# Altium PCB PCB1.PcbDoc (part 7 of 15) (continued)
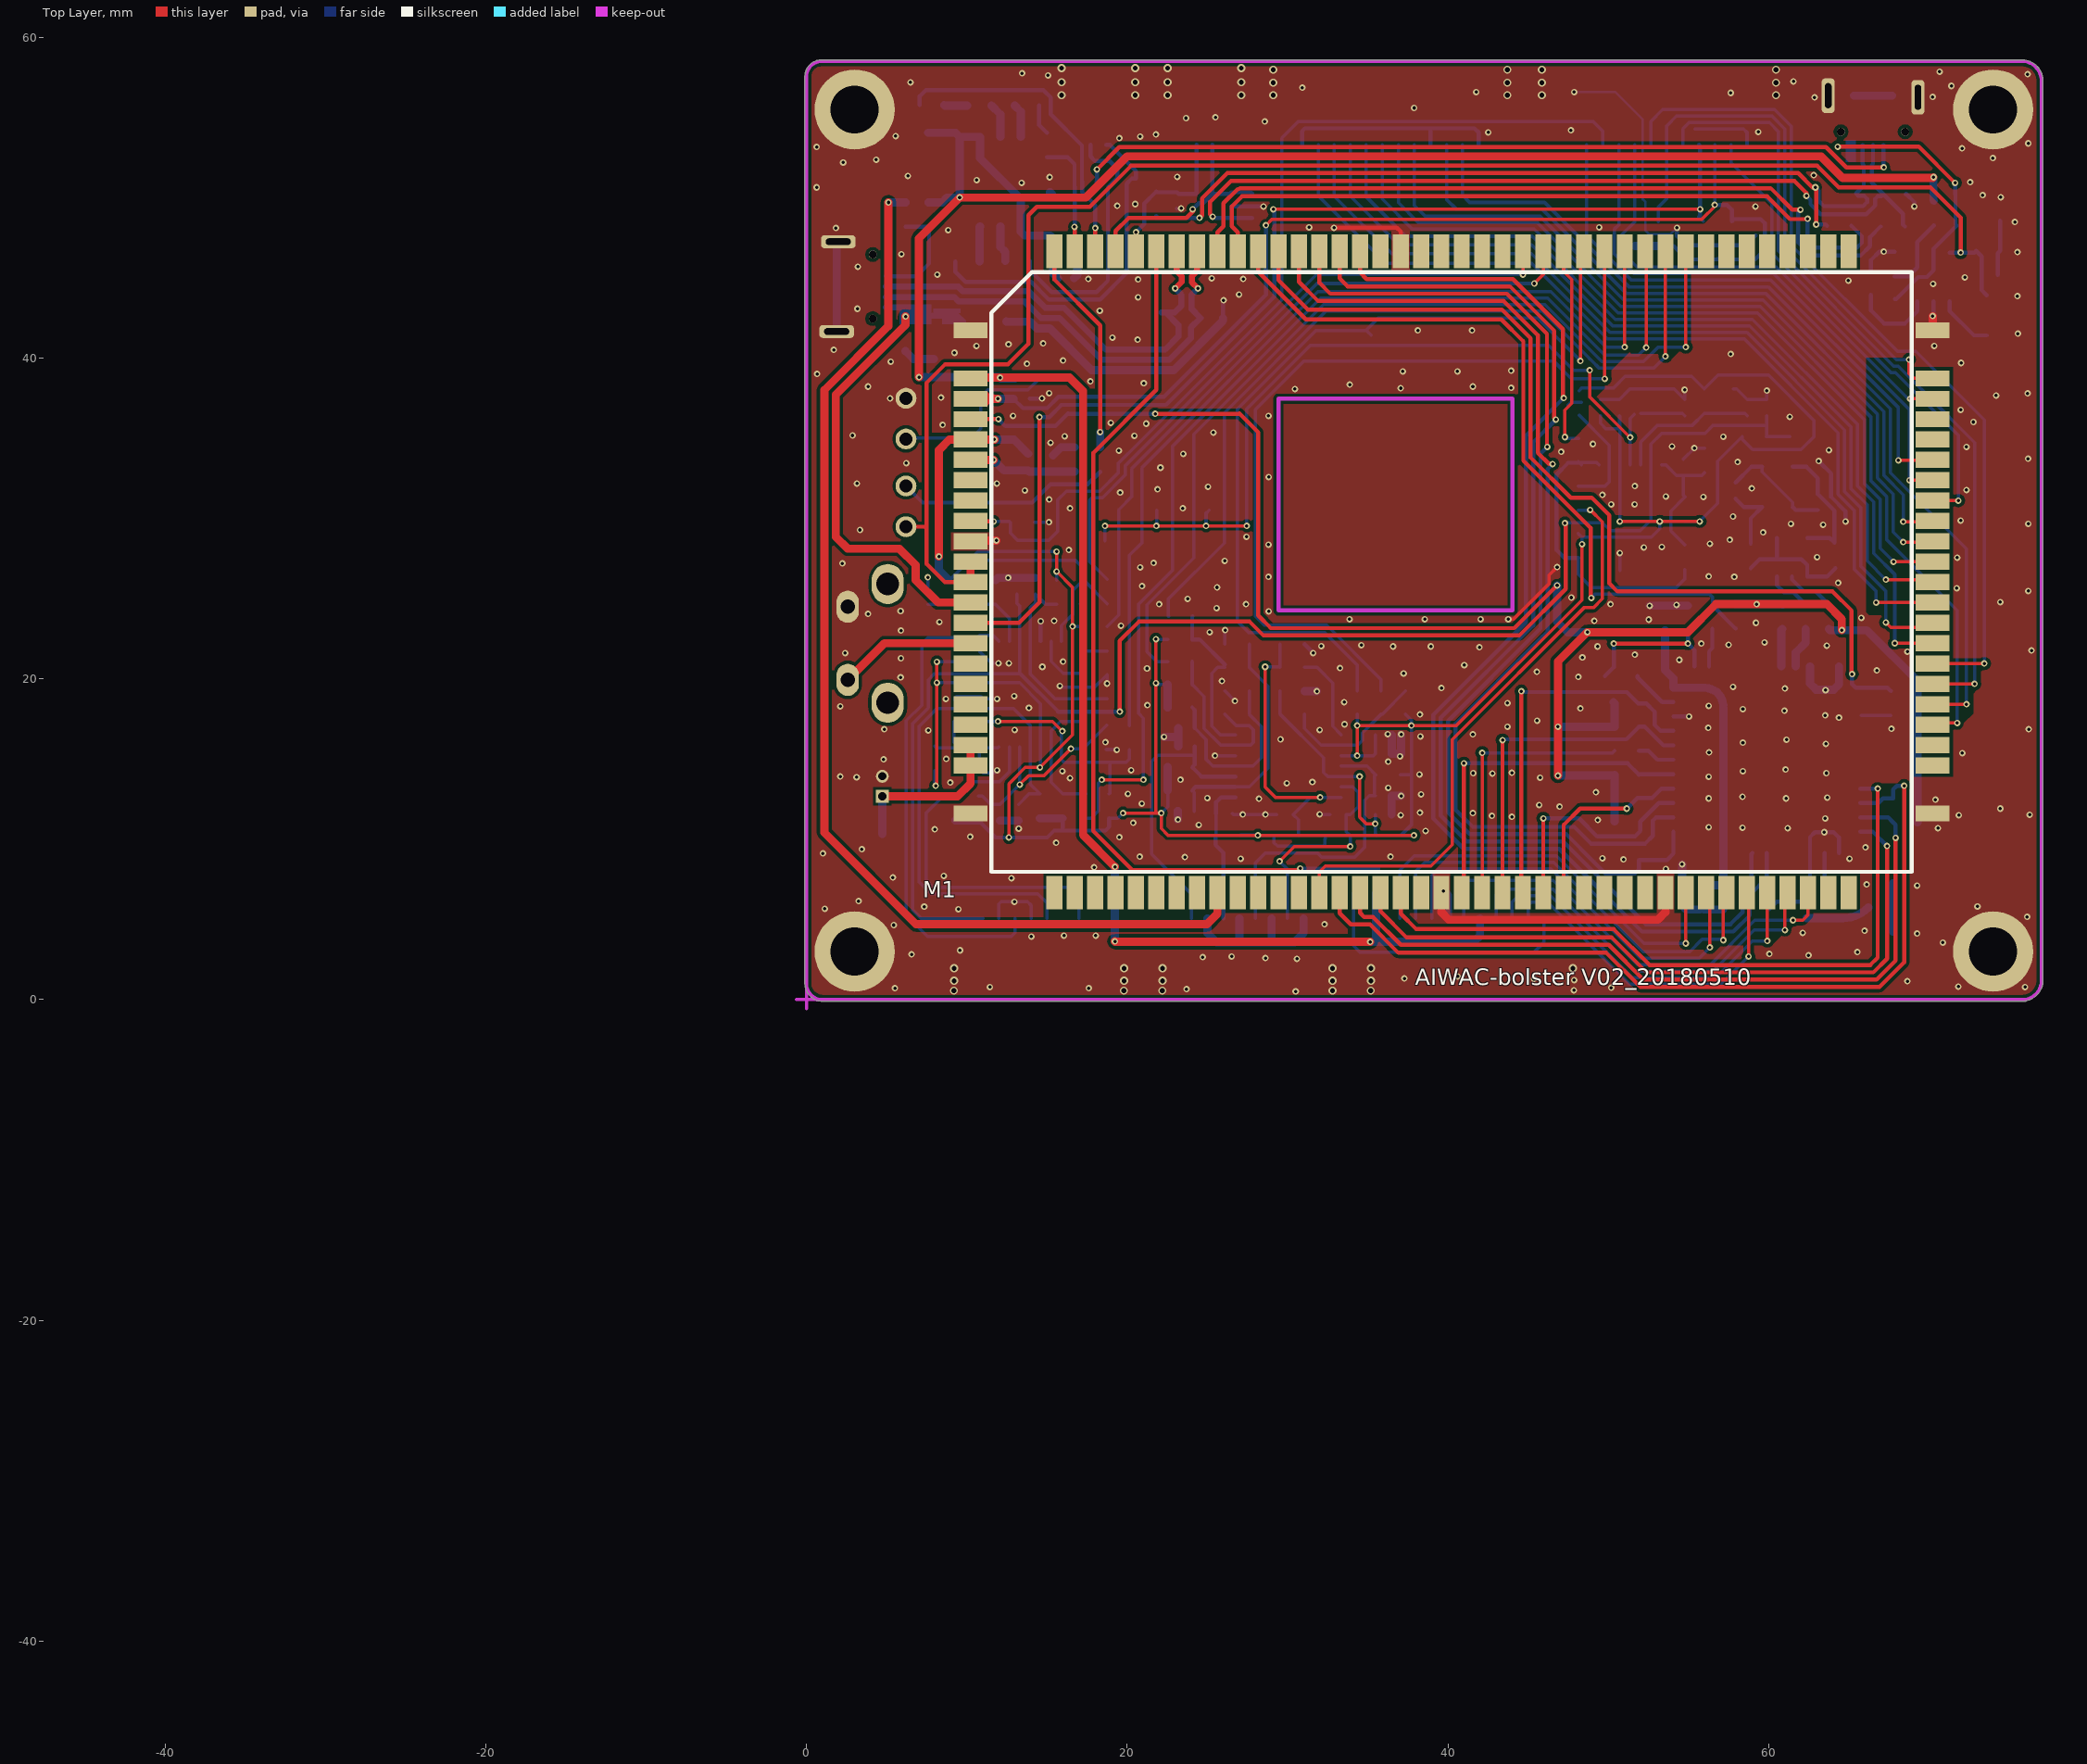
[diagram p0: Top Layer view]
## Free pads (board coordinates) (continued)
1(-45.28,-43.987) 1(-45.28,-43.987) 1(-45.28,-43.981) 1(-45.28,-43.981) 1(-45.28,-43.981) 1(-45.28,-43.981) 1(-45.28,-43.981) 1(-45.28,-43.981) 1(-45.28,-44.007) 1(-45.28,-44.007) 1(-45.28,-44.007) 1(-45.28,-44.012) 1(-45.28,-44.012) 1(-45.28,-44.012) 1(-45.28,-44.012) 1(-45.28,-44.012) 1(-45.28,-44.012) 1(-45.28,-43.987) 1(-45.28,-43.987) 1(-45.28,-43.987) 1(-45.28,-43.979) 1(-45.28,-43.979) 1(-45.28,-43.979) 1(-45.28,-43.979) 1(-45.28,-43.979) 1(-45.28,-43.979) 1(-45.28,-43.979) 1(-45.28,-43.979) 1(-45.28,-43.979) 1(-45.28,-44.011) 1(-45.28,-44.011) 1(-45.28,-44.011) 1(-45.28,-44.011) 1(-45.28,-44.011) 1(-45.28,-44.011) 1(-45.28,-44.01) 1(-45.28,-44.01) 1(-45.28,-44.01) 1(-45.28,-44.009) 1(-45.28,-44.009) 1(-45.28,-44.009) 1(-45.28,-44.008) 1(-45.28,-44.008) 1(-45.28,-44.008) 1(-45.28,-44.008) 1(-45.28,-44.008) 1(-45.28,-44.008) 1(-45.28,-44.005) 1(-45.28,-44.005) 1(-45.28,-44.005) 1(-45.28,-44.005) 1(-45.28,-44.005) 1(-45.28,-44.005) 1(-45.28,-44.003) 1(-45.28,-44.003) 1(-45.28,-44.003) 1(-45.28,-44.001) 1(-45.28,-44.001) 1(-45.28,-44.001) 1(-45.28,-44.001) 1(-45.28,-44.001) 1(-45.28,-44.001) 1(-45.28,-44.02) 1(-45.28,-44.02) 1(-45.28,-44.02) 1(-45.28,-44.019) 1(-45.28,-44.019) 1(-45.28,-44.019) 1(-45.28,-44.019) 1(-45.28,-44.019) 1(-45.28,-44.019) 1(-45.28,-43.98) 1(-45.28,-43.98) 1(-45.28,-43.98) 1(-45.28,-43.98) 1(-45.28,-43.98) 1(-45.28,-43.98) 1(-45.28,-44.021) 1(-45.28,-44.021) 1(-45.28,-44.021) 1(-45.28,-43.994) 1(-45.28,-43.994) 1(-45.28,-43.994) 1(-45.28,-43.994) 1(-45.28,-43.994) 1(-45.28,-43.994) 1(-45.279,-43.995) 1(-45.279,-43.995) 1(-45.279,-43.995) 1(-45.279,-44) 1(-45.279,-44) 1(-45.279,-44) 1(-45.279,-44) 1(-45.279,-44) 1(-45.279,-44) 1(-45.279,-44) 1(-45.279,-44) 1(-45.279,-44) 1(-45.279,-44) 1(-45.279,-44) 1(-45.279,-44) 1(-45.279,-44.018) 1(-45.279,-44.018) 1(-45.279,-44.018) 1(-45.279,-44.018) 1(-45.279,-44.018) 1(-45.279,-44.018) 1(-45.279,-43.97) 1(-45.279,-43.97) 1(-45.279,-43.97) 1(-45.279,-43.97) 1(-45.279,-43.97) 1(-45.279,-43.97) 1(-45.279,-43.969) 1(-45.279,-43.969) 1(-45.279,-43.969) 1(-45.279,-43.989) 1(-45.279,-43.989) 1(-45.279,-43.989) 1(-45.279,-43.989) 1(-45.279,-43.989) 1(-45.279,-43.989) 1(-45.279,-43.986) 1(-45.279,-43.986) 1(-45.279,-43.986) 1(-45.279,-44.012) 1(-45.279,-44.012) 1(-45.279,-44.012) 1(-45.279,-44.012) 1(-45.279,-44.012) 1(-45.279,-44.012) 1(-45.279,-44.01) 1(-45.279,-44.01) 1(-45.279,-44.01) 1(-45.279,-44.01) 1(-45.279,-44.01) 1(-45.279,-44.01) 1(-45.279,-44.01) 1(-45.279,-44.01) 1(-45.279,-44.01) 1(-45.279,-44.01) 1(-45.279,-44.01) 1(-45.279,-44.01) 1(-45.279,-44.01) 1(-45.279,-44.01) 1(-45.279,-44.01) 1(-45.279,-44.009) 1(-45.279,-44.009) 1(-45.279,-44.009) 1(-45.279,-44.006) 1(-45.279,-44.006) 1(-45.279,-44.006) 1(-45.279,-44.006) 1(-45.279,-44.006) 1(-45.279,-44.006) 1(-45.279,-44.003) 1(-45.279,-44.003) 1(-45.279,-44.003) 1(-45.279,-44.003) 1(-45.279,-44.003) 1(-45.279,-44.003) 1(-45.279,-44.001) 1(-45.279,-44.001) 1(-45.279,-44.001) 1(-45.279,-44.001) 1(-45.279,-44.001) 1(-45.279,-44.001) 1(-45.279,-44.001) 1(-45.279,-44.001) 1(-45.279,-44.001) 1(-45.279,-44.001) 1(-45.279,-44.001) 1(-45.279,-44.001) 1(-45.279,-43.982) 1(-45.279,-43.982) 1(-45.279,-43.982) 1(-45.279,-43.982) 1(-45.279,-43.982) 1(-45.279,-43.982) 1(-45.279,-43.987) 1(-45.279,-43.987) 1(-45.279,-43.987) 1(-45.279,-43.987) 1(-45.279,-43.987) 1(-45.279,-43.987) 1(-45.279,-43.987) 1(-45.279,-43.987) 1(-45.279,-43.987) 1(-45.279,-43.987) 1(-45.279,-43.987) 1(-45.279,-43.987) 1(-45.279,-44.004) 1(-45.279,-44.004) 1(-45.279,-44.004) 1(-45.279,-43.984) 1(-45.279,-43.984) 1(-45.279,-43.984) 1(-45.279,-43.968) 1(-45.279,-43.968) 1(-45.279,-43.968) 1(-45.279,-43.968) 1(-45.279,-43.968) 1(-45.279,-43.968) 1(-45.279,-44) 1(-45.279,-44) 1(-45.279,-44) 1(-45.279,-44) 1(-45.279,-44) 1(-45.279,-44) 1(-45.279,-43.972) 1(-45.279,-43.972) 1(-45.279,-43.972) 1(-45.279,-43.971) 1(-45.279,-43.971) 1(-45.279,-43.971) 1(-45.279,-44.02) 1(-45.279,-44.02) 1(-45.279,-44.02) 1(-45.279,-44.019) 1(-45.279,-44.019) 1(-45.279,-44.019) 1(-45.279,-44.019) 1(-45.279,-44.019) 1(-45.279,-44.019) 1(-45.279,-44.015) 1(-45.279,-44.015) 1(-45.279,-44.015) 1(-45.279,-44.015) 1(-45.279,-44.015) 1(-45.279,-44.015) 1(-45.279,-43.988) 1(-45.279,-43.988) 1(-45.279,-43.988) 1(-45.279,-43.988) 1(-45.279,-43.988) 1(-45.279,-43.988) 1(-45.279,-43.967) 1(-45.279,-43.967) 1(-45.279,-43.967) 1(-45.279,-43.996) 1(-45.279,-43.996) 1(-45.279,-43.996) 1(-45.279,-43.996) 1(-45.279,-43.996) 1(-45.279,-43.996) 1(-45.279,-43.981) 1(-45.279,-43.981) 1(-45.279,-43.981) 1(-45.279,-43.981) 1(-45.279,-43.981) 1(-45.279,-43.981) 1(-45.279,-43.995) 1(-45.279,-43.995) 1(-45.279,-43.995) 1(-45.279,-43.995) 1(-45.279,-43.995) 1(-45.279,-43.995) 1(-45.279,-43.995) 1(-45.279,-43.995) 1(-45.279,-43.995) 1(-45.279,-43.995) 1(-45.279,-43.995) 1(-45.279,-43.995) 1(-45.279,-43.994) 1(-45.279,-43.994) 1(-45.279,-43.994) 1(-45.279,-43.989) 1(-45.279,-43.989) 1(-45.279,-43.989) 1(-45.279,-43.989) 1(-45.279,-43.989) 1(-45.279,-43.989) 1(-45.279,-43.987) 1(-45.279,-43.987) 1(-45.279,-43.987) 1(-45.278,-43.974) 1(-45.278,-43.974) 1(-45.278,-43.974) 1(-45.278,-43.993) 1(-45.278,-43.993) 1(-45.278,-43.993) 1(-45.278,-43.993) 1(-45.278,-43.993) 1(-45.278,-43.993) 1(-45.278,-43.99) 1(-45.278,-43.99) 1(-45.278,-43.99) 1(-45.278,-43.97) 1(-45.278,-43.97) 1(-45.278,-43.97) 1(-45.278,-43.97) 1(-45.278,-43.97) 1(-45.278,-43.97) 1(-45.278,-43.969) 1(-45.278,-43.969) 1(-45.278,-43.969) 1(-45.278,-43.969) 1(-45.278,-43.969) 1(-45.278,-43.969) 1(-45.278,-44.011) 1(-45.278,-44.011) 1(-45.278,-44.011) 1(-45.278,-44.011) 1(-45.278,-44.011) 1(-45.278,-44.011) 1(-45.278,-44.01) 1(-45.278,-44.01) 1(-45.278,-44.01) 1(-45.278,-44.009) 1(-45.278,-44.009) 1(-45.278,-44.009) 1(-45.278,-44.008) 1(-45.278,-44.008) 1(-45.278,-44.008) 1(-45.278,-44.008) 1(-45.278,-44.008) 1(-45.278,-44.008) 1(-45.278,-44.004) 1(-45.278,-44.004) 1(-45.278,-44.004) 1(-45.278,-44.004) 1(-45.278,-44.004) 1(-45.278,-44.004) 1(-45.278,-44.003) 1(-45.278,-44.003) 1(-45.278,-44.003) 1(-45.278,-44.003) 1(-45.278,-44.003) 1(-45.278,-44.003) 1(-45.278,-43.981) 1(-45.278,-43.981) 1(-45.278,-43.981) 1(-45.278,-43.981) 1(-45.278,-43.981) 1(-45.278,-43.981) 1(-45.278,-44.014) 1(-45.278,-44.014) 1(-45.278,-44.014) 1(-45.278,-44.014) 1(-45.278,-44.014) 1(-45.278,-44.014) 1(-45.278,-44.001) 1(-45.278,-44.001) 1(-45.278,-44.001) 1(-45.278,-44.006) 1(-45.278,-44.006) 1(-45.278,-44.006) 1(-45.278,-44.006) 1(-45.278,-44.006) 1(-45.278,-44.006) 1(-45.278,-43.989) 1(-45.278,-43.989) 1(-45.278,-43.989) 1(-45.278,-43.989) 1(-45.278,-43.989) 1(-45.278,-43.989) 1(-45.278,-44.015) 1(-45.278,-44.015) 1(-45.278,-44.015) 1(-45.278,-44) 1(-45.278,-44) 1(-45.278,-44) 1(-45.278,-43.999) 1(-45.278,-43.999) 1(-45.278,-43.999) 1(-45.278,-43.998) 1(-45.278,-43.998) 1(-45.278,-43.998) 1(-45.278,-43.998) 1(-45.278,-43.998) 1(-45.278,-43.998) 1(-45.278,-43.997) 1(-45.278,-43.997) 1(-45.278,-43.997) 1(-45.278,-43.997) 1(-45.278,-43.997) 1(-45.278,-43.997) 1(-45.278,-43.996) 1(-45.278,-43.996) 1(-45.278,-43.996) 1(-45.278,-43.996) 1(-45.278,-43.996) 1(-45.278,-43.996) 1(-45.278,-43.994) 1(-45.278,-43.994) 1(-45.278,-43.994) 1(-45.278,-43.994) 1(-45.278,-43.994) 1(-45.278,-43.994) 1(-45.278,-44.007) 1(-45.278,-44.007) 1(-45.278,-44.007) 1(-45.278,-44.007) 1(-45.278,-44.007) 1(-45.278,-44.007) 1(-45.278,-43.987) 1(-45.278,-43.987) 1(-45.278,-43.987) 1(-45.278,-43.987) 1(-45.278,-43.987) 1(-45.278,-43.987) 1(-45.278,-44.005) 1(-45.278,-44.005) 1(-45.278,-44.005) 1(-45.278,-44.005) 1(-45.278,-44.005) 1(-45.278,-44.005) 1(-45.278,-44.008) 1(-45.278,-44.008) 1(-45.278,-44.008) 1(-45.278,-44.008) 1(-45.278,-44.008) 1(-45.278,-44.008) 1(-45.278,-44.005) 1(-45.278,-44.005) 1(-45.278,-44.005) 1(-45.278,-44.005) 1(-45.278,-44.005) 1(-45.278,-44.005) 1(-45.278,-44.01) 1(-45.278,-44.01) 1(-45.278,-44.01) 1(-45.278,-44.01) 1(-45.278,-44.01) 1(-45.278,-44.01) 1(-45.278,-44.008) 1(-45.278,-44.008) 1(-45.278,-44.008) 1(-45.278,-44.008) 1(-45.278,-44.008) 1(-45.278,-44.008) 1(-45.278,-44.003) 1(-45.278,-44.003) 1(-45.278,-44.003) 1(-45.278,-44.003) 1(-45.278,-44.003) 1(-45.278,-44.003) 1(-45.278,-44.002) 1(-45.278,-44.002) 1(-45.278,-44.002) 1(-45.278,-44.002) 1(-45.278,-44.002) 1(-45.278,-44.002) 1(-45.278,-43.988) 1(-45.278,-43.988) 1(-45.278,-43.988) 1(-45.278,-43.988) 1(-45.278,-43.988) 1(-45.278,-43.988) 1(-45.278,-44.011) 1(-45.278,-44.011) 1(-45.278,-44.011) 1(-45.278,-44.008) 1(-45.278,-44.008) 1(-45.278,-44.008) 1(-45.278,-44.008) 1(-45.278,-44.008) 1(-45.278,-44.008) 1(-45.278,-44.014) 1(-45.278,-44.014) 1(-45.278,-44.014) 1(-45.278,-44.014) 1(-45.278,-44.014) 1(-45.278,-44.014) 1(-45.278,-44.014) 1(-45.278,-44.014) 1(-45.278,-44.014) 1(-45.278,-44.014) 1(-45.278,-44.014) 1(-45.278,-44.014) 1(-45.278,-44.014) 1(-45.278,-44.014) 1(-45.278,-44.014) 1(-45.278,-44.014) 1(-45.278,-44.014) 1(-45.278,-44.014) 1(-45.278,-44.012) 1(-45.278,-44.012) 1(-45.278,-44.012) 1(-45.278,-44.012) 1(-45.278,-44.012) 1(-45.278,-44.012) 1(-45.278,-44.005) 1(-45.278,-44.005) 1(-45.278,-44.005) 1(-45.278,-44.005) 1(-45.278,-44.005) 1(-45.278,-44.005) 1(-45.278,-44.004) 1(-45.278,-44.004) 1(-45.278,-44.004) 1(-45.278,-43.985) 1(-45.278,-43.985) 1(-45.278,-43.985) 1(-45.278,-43.982) 1(-45.278,-43.982) 1(-45.278,-43.982) 1(-45.278,-43.982) 1(-45.278,-43.982) 1(-45.278,-43.982) 1(-45.278,-44.021) 1(-45.278,-44.021) 1(-45.278,-44.021) 1(-45.278,-44.01) 1(-45.278,-44.01) 1(-45.278,-44.01) 1(-45.278,-44.01) 1(-45.278,-44.01) 1(-45.278,-44.01) 1(-45.278,-43.99) 1(-45.278,-43.99) 1(-45.278,-43.99) 1(-45.277,-43.993) 1(-45.277,-43.993) 1(-45.277,-43.993) 1(-45.277,-43.993) 1(-45.277,-43.993) 1(-45.277,-43.993) 1(-45.277,-43.972) 1(-45.277,-43.972) 1(-45.277,-43.972) 1(-45.277,-43.972) 1(-45.277,-43.972) 1(-45.277,-43.972) 1(-45.277,-44.018) 1(-45.277,-44.018) 1(-45.277,-44.018) 1(-45.277,-44.018) 1(-45.277,-44.018) 1(-45.277,-44.018) 1(-45.277,-43.988) 1(-45.277,-43.988) 1(-45.277,-43.988) 1(-45.277,-43.988) 1(-45.277,-43.988) 1(-45.277,-43.988) 1(-45.277,-43.988) 1(-45.277,-43.988) 1(-45.277,-43.988) 1(-45.277,-43.988) 1(-45.277,-43.988) 1(-45.277,-43.988) 1(-45.277,-43.997) 1(-45.277,-43.997) 1(-45.277,-43.997) 1(-45.277,-44.011) 1(-45.277,-44.011) 1(-45.277,-44.011) 1(-45.277,-43.994) 1(-45.277,-43.994) 1(-45.277,-43.994) 1(-45.277,-44.009) 1(-45.277,-44.009) 1(-45.277,-44.009) 1(-45.277,-44.009) 1(-45.277,-44.009) 1(-45.277,-44.009) 1(-45.277,-44.002) 1(-45.277,-44.002) 1(-45.277,-44.002) 1(-45.277,-44.002) 1(-45.277,-44.002) 1(-45.277,-44.002) 1(-45.277,-44.002) 1(-45.277,-44.002) 1(-45.277,-44.002) 1(-45.277,-44.002) 1(-45.277,-44.002) 1(-45.277,-44.002) 1(-45.277,-44.001) 1(-45.277,-44.001) 1(-45.277,-44.001) 1(-45.277,-44.001) 1(-45.277,-44.001) 1(-45.277,-44.001) 1(-45.277,-43.999) 1(-45.277,-43.999) 1(-45.277,-43.999) 1(-45.277,-43.999) 1(-45.277,-43.999) 1(-45.277,-43.999) 1(-45.277,-43.977) 1(-45.277,-43.977) 1(-45.277,-43.977) 1(-45.277,-43.977) 1(-45.277,-43.977) 1(-45.277,-43.977) 1(-45.277,-43.974) 1(-45.277,-43.974) 1(-45.277,-43.974) 1(-45.277,-43.974) 1(-45.277,-43.974) 1(-45.277,-43.974) 1(-45.277,-43.973) 1(-45.277,-43.973) 1(-45.277,-43.973) 1(-45.277,-43.973) 1(-45.277,-43.973) 1(-45.277,-43.973) 1(-45.277,-43.977) 1(-45.277,-43.977) 1(-45.277,-43.977) 1(-45.277,-43.977) 1(-45.277,-43.977) 1(-45.277,-43.977) 1(-45.277,-43.974) 1(-45.277,-43.974) 1(-45.277,-43.974) 1(-45.277,-43.974) 1(-45.277,-43.974) 1(-45.277,-43.974) 1(-45.277,-43.998) 1(-45.277,-43.998) 1(-45.277,-43.998) 1(-45.277,-43.998) 1(-45.277,-43.998) 1(-45.277,-43.998) 1(-45.277,-43.998) 1(-45.277,-43.998) 1(-45.277,-43.998) 1(-45.277,-43.998) 1(-45.277,-43.998) 1(-45.277,-43.998) 1(-45.277,-44.02) 1(-45.277,-44.02) 1(-45.277,-44.02) 1(-45.277,-44.019) 1(-45.277,-44.019) 1(-45.277,-44.019) 1(-45.277,-44.019) 1(-45.277,-44.019) 1(-45.277,-44.019) 1(-45.277,-43.998) 1(-45.277,-43.998) 1(-45.277,-43.998) 1(-45.277,-43.998) 1(-45.277,-43.998) 1(-45.277,-43.998) 1(-45.277,-44) 1(-45.277,-44) 1(-45.277,-44) 1(-45.277,-44.008) 1(-45.277,-44.008) 1(-45.277,-44.008) 1(-45.277,-44.008) 1(-45.277,-44.008) 1(-45.277,-44.008) 1(-45.276,-43.974) 1(-45.276,-43.974) 1(-45.276,-43.974) 1(-45.276,-43.974) 1(-45.276,-43.974) 1(-45.276,-43.974) 1(-45.276,-43.972) 1(-45.276,-43.972) 1(-45.276,-43.972) 1(-45.276,-43.972) 1(-45.276,-43.972) 1(-45.276,-43.972) 1(-45.276,-43.975) 1(-45.276,-43.975) 1(-45.276,-43.975) 1(-45.276,-43.975) 1(-45.276,-43.975) 1(-45.276,-43.975) 1(-45.276,-43.974) 1(-45.276,-43.974) 1(-45.276,-43.974) 1(-45.276,-43.974) 1(-45.276,-43.974) 1(-45.276,-43.974) 1(-45.276,-44.005) 1(-45.276,-44.005) 1(-45.276,-44.005) 1(-45.276,-44.009) 1(-45.276,-44.009) 1(-45.276,-44.009) 1(-45.276,-44.009) 1(-45.276,-44.009) 1(-45.276,-44.009) 1(-45.276,-44.009) 1(-45.276,-44.009) 1(-45.276,-44.009) 1(-45.276,-44.009) 1(-45.276,-44.009) 1(-45.276,-44.009) 1(-45.276,-44.009) 1(-45.276,-44.009) 1(-45.276,-44.009) 1(-45.276,-44.009) 1(-45.276,-44.009) 1(-45.276,-44.009) 1(-45.276,-44.008) 1(-45.276,-44.008) 1(-45.276,-44.008) 1(-45.276,-44.006) 1(-45.276,-44.006) 1(-45.276,-44.006) 1(-45.276,-44.006) 1(-45.276,-44.006) 1(-45.276,-44.006) 1(-45.276,-44.005) 1(-45.276,-44.005) 1(-45.276,-44.005) 1(-45.276,-44.003) 1(-45.276,-44.003) 1(-45.276,-44.003) 1(-45.276,-44.003) 1(-45.276,-44.003) 1(-45.276,-44.003) 1(-45.276,-44.002) 1(-45.276,-44.002) 1(-45.276,-44.002) 1(-45.276,-44.002) 1(-45.276,-44.002) 1(-45.276,-44.002) 1(-45.276,-44) 1(-45.276,-44) 1(-45.276,-44) 1(-45.276,-44) 1(-45.276,-44) 1(-45.276,-44) 1(-45.276,-43.999) 1(-45.276,-43.999) 1(-45.276,-43.999) 1(-45.276,-43.999) 1(-45.276,-43.999) 1(-45.276,-43.999) 1(-45.276,-43.999) 1(-45.276,-43.999) 1(-45.276,-43.999) 1(-45.276,-43.999) 1(-45.276,-43.999) 1(-45.276,-43.999) 1(-45.276,-43.999) 1(-45.276,-43.999) 1(-45.276,-43.999) 1(-45.276,-43.998) 1(-45.276,-43.998) 1(-45.276,-43.998) 1(-45.276,-43.998) 1(-45.276,-43.998) 1(-45.276,-43.998) 1(-45.276,-44.003) 1(-45.276,-44.003) 1(-45.276,-44.003) 1(-45.276,-44.003) 1(-45.276,-44.003) 1(-45.276,-44.003) 1(-45.276,-44.014) 1(-45.276,-44.014) 1(-45.276,-44.014) 1(-45.276,-44.012) 1(-45.276,-44.012) 1(-45.276,-44.012) 1(-45.276,-43.993) 1(-45.276,-43.993) 1(-45.276,-43.993) 1(-45.276,-43.993) 1(-45.276,-43.993) 1(-45.276,-43.993) 1(-45.276,-43.98) 1(-45.276,-43.98) 1(-45.276,-43.98) 1(-45.276,-44.024) 1(-45.276,-44.024) 1(-45.276,-44.024) 1(-45.276,-43.998) 1(-45.276,-43.998) 1(-45.276,-43.998) 1(-45.276,-43.998) 1(-45.276,-43.998) 1(-45.276,-43.998) 1(-45.276,-43.994) 1(-45.276,-43.994) 1(-45.276,-43.994) 1(-45.276,-43.994) 1(-45.276,-43.994) 1(-45.276,-43.994) 1(-45.276,-43.994) 1(-45.276,-43.994) 1(-45.276,-43.994) 1(-45.276,-43.994) 1(-45.276,-43.994) 1(-45.276,-43.994) 1(-45.276,-43.986) 1(-45.276,-43.986) 1(-45.276,-43.986) 1(-45.276,-43.972) 1(-45.276,-43.972) 1(-45.276,-43.972) 1(-45.276,-43.972) 1(-45.276,-43.972) 1(-45.276,-43.972) 1(-45.276,-43.972) 1(-45.276,-43.972) 1(-45.276,-43.972) 1(-45.276,-44.014) 1(-45.276,-44.014) 1(-45.276,-44.014) 1(-45.276,-44.014) 1(-45.276,-44.014) 1(-45.276,-44.014) 1(-45.276,-43.994) 1(-45.276,-43.994) 1(-45.276,-43.994) 1(-45.276,-43.994) 1(-45.276,-43.994) 1(-45.276,-43.994) 1(-45.276,-44.017) 1(-45.276,-44.017) 1(-45.276,-44.017) 1(-45.276,-44.005) 1(-45.276,-44.005) 1(-45.276,-44.005) 1(-45.276,-44.005) 1(-45.276,-44.005) 1(-45.276,-44.005) 1(-45.276,-43.973) 1(-45.276,-43.973) 1(-45.276,-43.973) 1(-45.276,-43.973) 1(-45.276,-43.973) 1(-45.276,-43.973) 1(-45.276,-43.977) 1(-45.276,-43.977) 1(-45.276,-43.977) 1(-45.276,-43.977) 1(-45.276,-43.977) 1(-45.276,-43.977) 1(-45.276,-43.975) 1(-45.276,-43.975) 1(-45.276,-43.975) 1(-45.276,-43.975) 1(-45.276,-43.975) 1(-45.276,-43.975) 1(-45.276,-44.021) 1(-45.276,-44.021) 1(-45.276,-44.021) 1(-45.276,-43.981) 1(-45.276,-43.981) 1(-45.276,-43.981) 1(-45.276,-43.981) 1(-45.276,-43.981) 1(-45.276,-43.981) 1(-45.276,-43.974) 1(-45.276,-43.974) 1(-45.276,-43.974) 1(-45.276,-43.974) 1(-45.276,-43.974) 1(-45.276,-43.974) 1(-45.276,-43.974) 1(-45.276,-43.974) 1(-45.276,-43.974) 1(-45.276,-43.973) 1(-45.276,-43.973) 1(-45.276,-43.973) 1(-45.276,-43.973) 1(-45.276,-43.973) 1(-45.276,-43.973) 1(-45.275,-44.013) 1(-45.275,-44.013) 1(-45.275,-44.013) 1(-45.275,-44.013) 1(-45.275,-44.013) 1(-45.275,-44.013) 1(-45.275,-44.011) 1(-45.275,-44.011) 1(-45.275,-44.011) 1(-45.275,-44.011) 1(-45.275,-44.011) 1(-45.275,-44.011) 1(-45.275,-43.993) 1(-45.275,-43.993) 1(-45.275,-43.993) 1(-45.275,-43.993) 1(-45.275,-43.993) 1(-45.275,-43.993) 1(-45.275,-43.982) 1(-45.275,-43.982) 1(-45.275,-43.982) 1(-45.275,-43.992) 1(-45.275,-43.992) 1(-45.275,-43.992) 1(-45.275,-43.99) 1(-45.275,-43.99) 1(-45.275,-43.99) 1(-45.275,-43.981) 1(-45.275,-43.981) 1(-45.275,-43.981) 1(-45.275,-43.981) 1(-45.275,-43.981) 1(-45.275,-43.981) 1(-45.275,-43.985) 1(-45.275,-43.985) 1(-45.275,-43.985) 1(-45.275,-43.985) 1(-45.275,-43.985) 1(-45.275,-43.985) 1(-45.275,-44.011) 1(-45.275,-44.011) 1(-45.275,-44.011) 1(-45.275,-44.011) 1(-45.275,-44.011) 1(-45.275,-44.011) 1(-45.275,-43.994) 1(-45.275,-43.994) 1(-45.275,-43.994) 1(-45.275,-43.994) 1(-45.275,-43.994) 1(-45.275,-43.994) 1(-45.275,-43.996) 1(-45.275,-43.996) 1(-45.275,-43.996) 1(-45.275,-43.995) 1(-45.275,-43.995) 1(-45.275,-43.995) 1(-45.275,-43.995) 1(-45.275,-43.995) 1(-45.275,-43.995) 1(-45.275,-44.014) 1(-45.275,-44.014) 1(-45.275,-44.014) 1(-45.275,-44.014) 1(-45.275,-44.014) 1(-45.275,-44.014) 1(-45.275,-44.009) 1(-45.275,-44.009) 1(-45.275,-44.009) 1(-45.275,-43.984) 1(-45.275,-43.984) 1(-45.275,-43.984) 1(-45.275,-43.984) 1(-45.275,-43.984) 1(-45.275,-43.984) 1(-45.275,-43.972) 1(-45.275,-43.972) 1(-45.275,-43.972) 1(-45.275,-44.009) 1(-45.275,-44.009) 1(-45.275,-44.009) 1(-45.275,-44.008) 1(-45.275,-44.008) 1(-45.275,-44.008) 1(-45.275,-44.006) 1(-45.275,-44.006) 1(-45.275,-44.006) 1(-45.275,-44.005) 1(-45.275,-44.005) 1(-45.275,-44.005) 1(-45.275,-44.005) 1(-45.275,-44.005) 1(-45.275,-44.005) 1(-45.275,-44.005) 1(-45.275,-44.005) 1(-45.275,-44.005) 1(-45.275,-44.005) 1(-45.275,-44.005) 1(-45.275,-44.005) 1(-45.275,-44.005) 1(-45.275,-44.005) 1(-45.275,-44.005) 1(-45.275,-44.005) 1(-45.275,-44.005) 1(-45.275,-44.005) 1(-45.275,-44.003) 1(-45.275,-44.003) 1(-45.275,-44.003) 1(-45.275,-44.003) 1(-45.275,-44.003) 1(-45.275,-44.003) 1(-45.275,-44.002) 1(-45.275,-44.002) 1(-45.275,-44.002) 1(-45.275,-44) 1(-45.275,-44) 1(-45.275,-44) 1(-45.275,-43.999) 1(-45.275,-43.999) 1(-45.275,-43.999) 1(-45.275,-44.003) 1(-45.275,-44.003) 1(-45.275,-44.003) 1(-45.275,-43.98) 1(-45.275,-43.98) 1(-45.275,-43.98) 1(-45.275,-43.98) 1(-45.275,-43.98) 1(-45.275,-43.98) 1(-45.275,-43.974) 1(-45.275,-43.974) 1(-45.275,-43.974) 1(-45.275,-43.974) 1(-45.275,-43.974) 1(-45.275,-43.974) 1(-45.275,-44.01) 1(-45.275,-44.01) 1(-45.275,-44.01) 1(-45.275,-44.01) 1(-45.275,-44.01) 1(-45.275,-44.01) 1(-45.275,-44.01) 1(-45.275,-44.01) 1(-45.275,-44.01) 1(-45.275,-44.014) 1(-45.275,-44.014) 1(-45.275,-44.014) 1(-45.275,-44.014) 1(-45.275,-44.014) 1(-45.275,-44.014) 1(-45.275,-44.014) 1(-45.275,-44.014) 1(-45.275,-44.014) 1(-45.275,-44.014) 1(-45.275,-44.014) 1(-45.275,-44.014) 1(-45.275,-44.012) 1(-45.275,-44.012) 1(-45.275,-44.012) 1(-45.275,-43.973) 1(-45.275,-43.973) 1(-45.275,-43.973) 1(-45.275,-43.973) 1(-45.275,-43.973) 1(-45.275,-43.973) 1(-45.275,-43.972) 1(-45.275,-43.972) 1(-45.275,-43.972) 1(-45.275,-43.972) 1(-45.275,-43.972) 1(-45.275,-43.972) 1(-45.275,-44.012) 1(-45.275,-44.012) 1(-45.275,-44.012) 1(-45.275,-44.012) 1(-45.275,-44.012) 1(-45.275,-44.012) 1(-45.275,-44.01) 1(-45.275,-44.01) 1(-45.275,-44.01) 1(-45.275,-44.01) 1(-45.275,-44.01) 1(-45.275,-44.01) 1(-45.275,-43.989) 1(-45.275,-43.989) 1(-45.275,-43.989) 1(-45.275,-43.984) 1(-45.275,-43.984) 1(-45.275,-43.984) 1(-45.274,-44.021) 1(-45.274,-44.021) 1(-45.274,-44.021) 1(-45.274,-44.017) 1(-45.274,-44.017) 1(-45.274,-44.017) 1(-45.274,-44.009) 1(-45.274,-44.009) 1(-45.274,-44.009) 1(-45.274,-44.009) 1(-45.274,-44.009) 1(-45.274,-44.009) 1(-45.274,-44.009) 1(-45.274,-44.009) 1(-45.274,-44.009) 1(-45.274,-44.009) 1(-45.274,-44.009) 1(-45.274,-44.009) 1(-45.274,-43.975) 1(-45.274,-43.975) 1(-45.274,-43.975) 1(-45.274,-43.974) 1(-45.274,-43.974) 1(-45.274,-43.974) 1(-45.274,-43.974) 1(-45.274,-43.974) 1(-45.274,-43.974) 1(-45.274,-43.973) 1(-45.274,-43.973) 1(-45.274,-43.973) 1(-45.274,-43.973) 1(-45.274,-43.973) 1(-45.274,-43.973) 1(-45.274,-44.014) 1(-45.274,-44.014) 1(-45.274,-44.014) 1(-45.274,-44.014) 1(-45.274,-44.014) 1(-45.274,-44.014) 1(-45.274,-43.992) 1(-45.274,-43.992) 1(-45.274,-43.992) 1(-45.274,-43.992) 1(-45.274,-43.992) 1(-45.274,-43.992) 1(-45.274,-43.991) 1(-45.274,-43.991) 1(-45.274,-43.991) 1(-45.274,-43.991) 1(-45.274,-43.991) 1(-45.274,-43.991) 1(-45.274,-44.001) 1(-45.274,-44.001) 1(-45.274,-44.001) 1(-45.274,-44.001) 1(-45.274,-44.001) 1(-45.274,-44.001) 1(-45.274,-43.994) 1(-45.274,-43.994) 1(-45.274,-43.994) 1(-45.274,-43.994) 1(-45.274,-43.994) 1(-45.274,-43.994) 1(-45.274,-43.991) 1(-45.274,-43.991) 1(-45.274,-43.991) 1(-45.274,-44.015) 1(-45.274,-44.015) 1(-45.274,-44.015) 1(-45.274,-43.971) 1(-45.274,-43.971) 1(-45.274,-43.971) 1(-45.274,-44.007) 1(-45.274,-44.007) 1(-45.274,-44.007) 1(-45.274,-44.007) 1(-45.274,-44.007) 1(-45.274,-44.007) 1(-45.274,-43.994) 1(-45.274,-43.994) 1(-45.274,-43.994) 1(-45.274,-43.994) 1(-45.274,-43.994) 1(-45.274,-43.994) 1(-45.274,-43.993) 1(-45.274,-43.993) 1(-45.274,-43.993) 1(-45.274,-44.002) 1(-45.274,-44.002) 1(-45.274,-44.002) 1(-45.274,-44.013) 1(-45.274,-44.013) 1(-45.274,-44.013) 1(-45.274,-44.013) 1(-45.274,-44.013) 1(-45.274,-44.013) 1(-45.274,-43.992) 1(-45.274,-43.992) 1(-45.274,-43.992) 1(-45.274,-43.992) 1(-45.274,-43.992) 1(-45.274,-43.992) 1(-45.274,-43.992) 1(-45.274,-43.992) 1(-45.274,-43.992) 1(-45.274,-43.992) 1(-45.274,-43.992) 1(-45.274,-43.992) 1(-45.274,-44.01) 1(-45.274,-44.01) 1(-45.274,-44.01) 1(-45.274,-44.01) 1(-45.274,-44.01) 1(-45.274,-44.01) 1(-45.274,-43.98) 1(-45.274,-43.98) 1(-45.274,-43.98) 1(-45.274,-43.98) 1(-45.274,-43.98) 1(-45.274,-43.98) 1(-45.274,-43.974) 1(-45.274,-43.974) 1(-45.274,-43.974) 1(-45.274,-43.974) 1(-45.274,-43.974) 1(-45.274,-43.974) 1(-45.274,-44.012) 1(-45.274,-44.012) 1(-45.274,-44.012) 1(-45.274,-44.01) 1(-45.274,-44.01) 1(-45.274,-44.01) 1(-45.274,-44.01) 1(-45.274,-44.01) 1(-45.274,-44.01) 1(-45.274,-44.009) 1(-45.274,-44.009) 1(-45.274,-44.009) 1(-45.274,-44.008) 1(-45.274,-44.008) 1(-45.274,-44.008) 1(-45.274,-43.997) 1(-45.274,-43.997) 1(-45.274,-43.997) 1(-45.274,-43.997) 1(-45.274,-43.997) 1(-45.274,-43.997) 1(-45.273,-44.011) 1(-45.273,-44.011) 1(-45.273,-44.011) 1(-45.273,-43.994) 1(-45.273,-43.994) 1(-45.273,-43.994) 1(-45.273,-43.994) 1(-45.273,-43.994) 1(-45.273,-43.994) 1(-45.273,-43.992) 1(-45.273,-43.992) 1(-45.273,-43.992) 1(-45.273,-43.992) 1(-45.273,-43.992) 1(-45.273,-43.992) 1(-45.273,-43.974) 1(-45.273,-43.974) 1(-45.273,-43.974) 1(-45.273,-43.974) 1(-45.273,-43.974) 1(-45.273,-43.974) 1(-45.273,-44.014) 1(-45.273,-44.014) 1(-45.273,-44.014) 1(-45.273,-43.99) 1(-45.273,-43.99) 1(-45.273,-43.99) 1(-45.273,-43.975) 1(-45.273,-43.975) 1(-45.273,-43.975) 1(-45.273,-43.977) 1(-45.273,-43.977) 1(-45.273,-43.977) 1(-45.273,-43.977) 1(-45.273,-43.977) 1(-45.273,-43.977) 1(-45.273,-43.974) 1(-45.273,-43.974) 1(-45.273,-43.974) 1(-45.273,-43.974) 1(-45.273,-43.974) 1(-45.273,-43.974) 1(-45.273,-43.973) 1(-45.273,-43.973) 1(-45.273,-43.973) 1(-45.273,-43.973) 1(-45.273,-43.973) 1(-45.273,-43.973) 1(-45.273,-43.99) 1(-45.273,-43.99) 1(-45.273,-43.99) 1(-45.273,-43.99) 1(-45.273,-43.99) 1(-45.273,-43.99) 1(-45.273,-43.984) 1(-45.273,-43.984) 1(-45.273,-43.984) 1(-45.273,-43.99) 1(-45.273,-43.99) 1(-45.273,-43.99) 1(-45.273,-43.99) 1(-45.273,-43.99) 1(-45.273,-43.99) 1(-45.273,-43.981) 1(-45.273,-43.981) 1(-45.273,-43.981) 1(-45.273,-43.98) 1(-45.273,-43.98) 1(-45.273,-43.98) 1(-45.273,-44.007) 1(-45.273,-44.007) 1(-45.273,-44.007) 1(-45.273,-44.007) 1(-45.273,-44.007) 1(-45.273,-44.007) 1(-45.273,-44) 1(-45.273,-44) 1(-45.273,-44) 1(-45.273,-44) 1(-45.273,-44) 1(-45.273,-44) 1(-45.273,-44.016) 1(-45.273,-44.016) 1(-45.273,-44.016) 1(-45.273,-43.998) 1(-45.273,-43.998) 1(-45.273,-43.998) 1(-45.273,-43.971) 1(-45.273,-43.971) 1(-45.273,-43.971) 1(-45.273,-44.013) 1(-45.273,-44.013) 1(-45.273,-44.013) 1(-45.273,-43.996) 1(-45.273,-43.996) 1(-45.273,-43.996) 1(-45.273,-43.996) 1(-45.273,-43.996) 1(-45.273,-43.996) 1(-45.273,-43.992) 1(-45.273,-43.992) 1(-45.273,-43.992) 1(-45.273,-43.992) 1(-45.273,-43.992) 1(-45.273,-43.992) 1(-45.273,-43.999) 1(-45.273,-43.999) 1(-45.273,-43.999) 1(-45.273,-44.011) 1(-45.273,-44.011) 1(-45.273,-44.011) 1(-45.273,-44.011) 1(-45.273,-44.011) 1(-45.273,-44.011) 1(-45.273,-44.007) 1(-45.273,-44.007) 1(-45.273,-44.007) 1(-45.273,-44.007) 1(-45.273,-44.007) 1(-45.273,-44.007) 1(-45.273,-43.987) 1(-45.273,-43.987) 1(-45.273,-43.987) 1(-45.273,-43.977) 1(-45.273,-43.977) 1(-45.273,-43.977) 1(-45.273,-43.977) 1(-45.273,-43.977) 1(-45.273,-43.977) 1(-45.273,-43.975) 1(-45.273,-43.975) 1(-45.273,-43.975) 1(-45.273,-43.975) 1(-45.273,-43.975) 1(-45.273,-43.975) 1(-45.272,-43.989) 1(-45.272,-43.989) 1(-45.272,-43.989) 1(-45.272,-44.004) 1(-45.272,-44.004) 1(-45.272,-44.004) 1(-45.272,-44.003) 1(-45.272,-44.003) 1(-45.272,-44.003) 1(-45.272,-44.003) 1(-45.272,-44.003) 1(-45.272,-44.003) 1(-45.272,-44) 1(-45.272,-44) 1(-45.272,-44) 1(-45.272,-44) 1(-45.272,-44) 1(-45.272,-44) 1(-45.272,-44.007) 1(-45.272,-44.007) 1(-45.272,-44.007) 1(-45.272,-44.016) 1(-45.272,-44.016) 1(-45.272,-44.016) 1(-45.272,-44.016) 1(-45.272,-44.016) 1(-45.272,-44.016) 1(-45.272,-44.01) 1(-45.272,-44.01) 1(-45.272,-44.01) 1(-45.272,-44.01) 1(-45.272,-44.01) 1(-45.272,-44.01) 1(-45.272,-43.998) 1(-45.272,-43.998) 1(-45.272,-43.998) 1(-45.272,-43.988) 1(-45.272,-43.988) 1(-45.272,-43.988) 1(-45.272,-43.988) 1(-45.272,-43.988) 1(-45.272,-43.988) 1(-45.272,-43.975) 1(-45.272,-43.975) 1(-45.272,-43.975) 1(-45.272,-43.975) 1(-45.272,-43.975) 1(-45.272,-43.975) 1(-45.272,-43.975) 1(-45.272,-43.975) 1(-45.272,-43.975) 1(-45.272,-44.005) 1(-45.272,-44.005) 1(-45.272,-44.005) 1(-45.272,-44.005) 1(-45.272,-44.005) 1(-45.272,-44.005) 1(-45.272,-44.002) 1(-45.272,-44.002) 1(-45.272,-44.002) 1(-45.272,-44.002) 1(-45.272,-44.002) 1(-45.272,-44.002) 1(-45.272,-43.971) 1(-45.272,-43.971) 1(-45.272,-43.971) 1(-45.272,-44.002) 1(-45.272,-44.002) 1(-45.272,-44.002) 1(-45.272,-44.002) 1(-45.272,-44.002) 1(-45.272,-44.002) 1(-45.272,-43.995) 1(-45.272,-43.995) 1(-45.272,-43.995) 1(-45.272,-43.995) 1(-45.272,-43.995) 1(-45.272,-43.995) 1(-45.272,-43.976) 1(-45.272,-43.976) 1(-45.272,-43.976) 1(-45.272,-43.976) 1(-45.272,-43.976) 1(-45.272,-43.976) 1(-45.272,-43.976) 1(-45.272,-43.976) 1(-45.272,-43.976) 1(-45.272,-43.975) 1(-45.272,-43.975) 1(-45.272,-43.975) 1(-45.272,-43.995) 1(-45.272,-43.995) 1(-45.272,-43.995) 1(-45.272,-43.995) 1(-45.272,-43.995) 1(-45.272,-43.995) 1(-45.272,-43.994) 1(-45.272,-43.994) 1(-45.272,-43.994) 1(-45.272,-44.004) 1(-45.272,-44.004) 1(-45.272,-44.004) 1(-45.272,-44.004) 1(-45.272,-44.004) 1(-45.272,-44.004) 1(-45.272,-44.005) 1(-45.272,-44.005) 1(-45.272,-44.005) 1(-45.272,-44.005) 1(-45.272,-44.005) 1(-45.272,-44.005) 1(-45.272,-44.01) 1(-45.272,-44.01) 1(-45.272,-44.01) 1(-45.272,-44.01) 1(-45.272,-44.01) 1(-45.272,-44.01) 1(-45.272,-43.993) 1(-45.272,-43.993) 1(-45.272,-43.993) 1(-45.272,-44) 1(-45.272,-44) 1(-45.272,-44) 1(-45.272,-43.992) 1(-45.272,-43.992) 1(-45.272,-43.992) 1(-45.272,-44.013) 1(-45.272,-44.013) 1(-45.272,-44.013) 1(-45.272,-44.013) 1(-45.272,-44.013) 1(-45.272,-44.013) 1(-45.271,-43.987) 1(-45.271,-43.987) 1(-45.271,-43.987) 1(-45.271,-43.987) 1(-45.271,-43.987) 1(-45.271,-43.987) 1(-45.271,-44.009) 1(-45.271,-44.009) 1(-45.271,-44.009) 1(-45.271,-43.982) 1(-45.271,-43.982) 1(-45.271,-43.982) 1(-45.271,-43.982) 1(-45.271,-43.982) 1(-45.271,-43.982) 1(-45.271,-43.982) 1(-45.271,-43.982) 1(-45.271,-43.982) 1(-45.271,-43.988) 1(-45.271,-43.988) 1(-45.271,-43.988) 1(-45.271,-43.988) 1(-45.271,-43.988) 1(-45.271,-43.988) 1(-45.271,-44.013) 1(-45.271,-44.013) 1(-45.271,-44.013) 1(-45.271,-44.013) 1(-45.271,-44.013) 1(-45.271,-44.013) 1(-45.271,-44.012) 1(-45.271,-44.012)